# Altium PCB STM32F7_CoreBoard.PcbDoc (part 2 of 8) (continued)
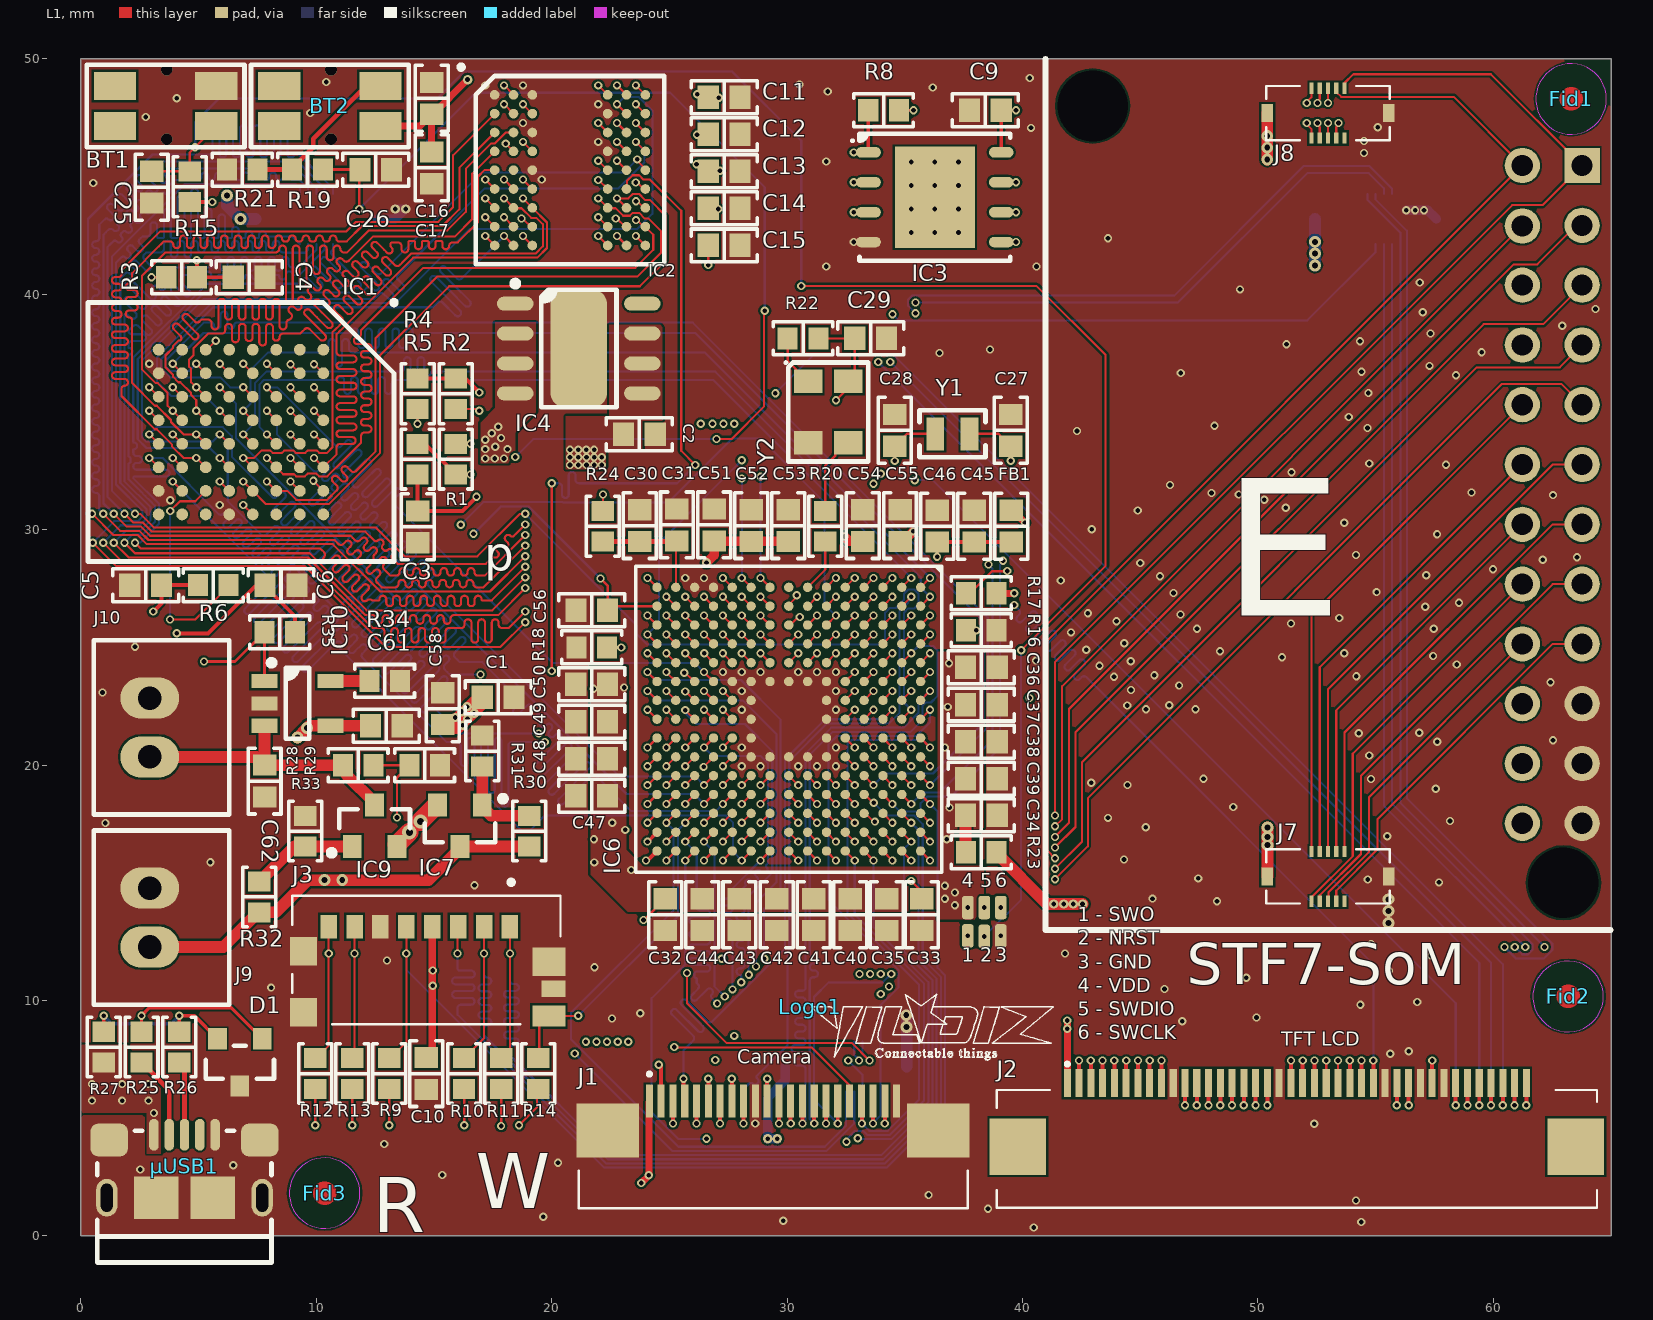
[diagram p0: L1 view]
## Nets (pads, with @x,y where several pads share a name; then routed paths per layer and width w, separated by ;. In a path a pad name is that pad's centre, name@x,y a point inside that pad or via, vN(x,y) a via of type N, cw(c..) or ccw(c..) an arc to the next point about the centre after c; other vN are vias at no path point) (continued)
A8: IC1.B6 IC4.H1 IC6.P6 | length 69
  L1 w0.089: v1(8.9,33.05) IC1.B6@9.3,32.65 ; v1(17.175,43.275) IC4.H1@17.575,42.875 ; v1(24.87,23.953) IC6.P6@25.27,23.553
  L3 w0.089: v1(8.9,33.05) 8.592,32.742 8.592,31.922 11.694,28.819 ccw(c11.797,28.922) 11.899,28.819 12.381,29.302 cw(c12.483,29.2) 12.585,29.302 cw(c12.483,29.2) 12.585,29.098 12.103,28.615 ccw(c12.205,28.513) 12.103,28.411 ccw(c12.205,28.513) 12.307,28.411 12.79,28.893 cw(c12.892,28.791) 12.994,28.893 cw(c12.892,28.791) 12.994,28.689 12.512,28.207 ccw(c12.614,28.104) 12.512,28.002 ccw(c12.614,28.104) 12.716,28.002 13.198,28.485 cw(c13.3,28.383) 13.402,28.485 cw(c13.3,28.383) 13.402,28.28 12.92,27.798 ccw(c13.022,27.696) 12.92,27.594 ccw(c13.022,27.696) 13.124,27.594 13.607,28.076 cw(c13.709,27.974) 13.811,28.076 cw(c13.709,27.974) 13.811,27.872 13.329,27.389 ccw(c13.431,27.287) 13.329,27.185 ccw(c13.431,27.287) 13.533,27.185 14.015,27.668 cw(c14.117,27.565) 14.22,27.668 cw(c14.117,27.565) 14.22,27.463 13.737,26.981 ccw(c13.839,26.879) 13.737,26.777 ccw(c13.839,26.879) 13.942,26.777 14.424,27.259 cw(c14.526,27.157) 14.628,27.259 cw(c14.526,27.157) 14.628,27.055 14.146,26.572 ccw(c14.248,26.47) 14.146,26.368 ccw(c14.248,26.47) 14.35,26.368 14.832,26.85 cw(c14.935,26.748) 15.037,26.85 cw(c14.935,26.748) 15.037,26.646 14.554,26.164 ccw(c14.657,26.062) 14.554,25.96 ccw(c14.657,26.062) 14.759,25.96 15.241,26.442 cw(c15.343,26.34) 15.445,26.442 cw(c15.343,26.34) 15.445,26.238 14.963,25.755 ccw(c15.065,25.653) 14.963,25.551 ccw(c15.065,25.653) 15.167,25.551 15.65,26.033 cw(c15.752,25.931) 15.854,26.033 cw(c15.752,25.931) 15.854,25.829 15.372,25.347 ccw(c15.474,25.245) 15.372,25.142 ccw(c15.474,25.245) 15.576,25.142 16.058,25.625 cw(c16.16,25.523) 16.262,25.625 cw(c16.16,25.523) 16.262,25.42 15.78,24.938 ccw(c15.882,24.836) 15.78,24.734 15.882,24.632 16.087,24.427 16.161,24.353 24.47,24.353 v1(24.87,23.953)
  L4 w0.089: v1(8.9,33.05) 8.592,32.742 5.772,32.742 5.592,32.922 5.592,35.197 5.253,35.536 4.84,35.536 4.592,35.785 4.592,39.249 8.618,43.275 13.925,43.275 13.997,43.275 ccw(c13.997,43.419) 14.142,43.419 14.142,43.536 cw(c14.286,43.536) 14.286,43.681 cw(c14.286,43.536) 14.43,43.536 14.43,43.275 14.43,43.173 ccw(c14.575,43.173) 14.575,43.028 ccw(c14.575,43.173) 14.719,43.173 14.719,43.275 14.719,43.536 cw(c14.864,43.536) 14.864,43.681 cw(c14.864,43.536) 15.008,43.536 15.008,43.275 15.008,43.173 ccw(c15.153,43.173) 15.153,43.028 ccw(c15.153,43.173) 15.297,43.173 15.297,43.275 15.297,43.536 cw(c15.442,43.536) 15.442,43.681 cw(c15.442,43.536) 15.586,43.536 15.586,43.275 15.586,43.173 ccw(c15.731,43.173) 15.731,43.028 ccw(c15.731,43.173) 15.875,43.173 15.875,43.275 15.875,43.536 cw(c16.019,43.536) 16.019,43.681 cw(c16.019,43.536) 16.164,43.536 16.164,43.275 16.164,43.173 ccw(c16.308,43.173) 16.308,43.028 ccw(c16.308,43.173) 16.453,43.173 16.453,43.275 16.453,43.536 cw(c16.597,43.536) 16.597,43.681 cw(c16.597,43.536) 16.742,43.536 16.742,43.419 ccw(c16.886,43.419) 16.886,43.275 17.031,43.275 v1(17.175,43.275)
A9: IC1.A6 IC4.G3 IC6.M8 | length 68.6
  L1 w0.089: v1(9.9,33.05) IC1.A6@10.3,32.65 10.861,33.211 10.861,33.356 10.861,33.5 cw(c11.006,33.5) 11.006,33.644 11.525,33.644 ccw(c11.525,33.789) 11.67,33.789 ccw(c11.525,33.789) 11.525,33.933 11.006,33.933 cw(c11.006,34.078) 10.861,34.078 cw(c11.006,34.078) 11.006,34.222 11.561,34.222 ccw(c11.561,34.367) 11.706,34.367 ccw(c11.561,34.367) 11.561,34.511 11.006,34.511 cw(c11.006,34.656) 10.861,34.656 cw(c11.006,34.656) 11.006,34.8 11.561,34.8 ccw(c11.561,34.945) 11.706,34.945 ccw(c11.561,34.945) 11.561,35.089 11.006,35.089 cw(c11.006,35.233) 10.861,35.233 cw(c11.006,35.233) 11.006,35.378 11.561,35.378 ccw(c11.561,35.522) 11.706,35.522 ccw(c11.561,35.522) 11.561,35.667 11.006,35.667 cw(c11.006,35.811) 10.861,35.811 cw(c11.006,35.811) 11.006,35.956 11.561,35.956 ccw(c11.561,36.1) 11.706,36.1 ccw(c11.561,36.1) 11.561,36.245 11.006,36.245 cw(c11.006,36.389) 10.861,36.389 cw(c11.006,36.389) 11.006,36.533 11.561,36.533 ccw(c11.561,36.678) 11.706,36.678 ccw(c11.561,36.678) 11.561,36.822 11.006,36.822 cw(c11.006,36.967) 10.861,36.967 cw(c11.006,36.967) 11.006,37.111 11.561,37.111 ccw(c11.561,37.256) 11.706,37.256 ccw(c11.561,37.256) 11.561,37.4 11.006,37.4 cw(c11.006,37.545) 10.861,37.545 10.861,37.575 10.861,38.31 ; 11.013,38.462 10.861,38.31 ; v1(18.775,44.075) IC4.G3@19.175,43.675 19.8,43.05 19.8,41.97 19.389,41.559 14.11,41.559 10.861,38.31 ; v1(26.47,22.352) IC6.M8@26.87,21.952
  L4 w0.089: v1(9.9,33.05) 9.95,33 9.95,32.841 10.291,32.5 10.371,32.5 10.411,32.539 10.421,32.55 cw(c10.523,32.448) 10.625,32.55 cw(c10.523,32.448) 10.625,32.346 10.615,32.335 10.159,31.879 ccw(c10.261,31.777) 10.159,31.675 ccw(c10.261,31.777) 10.363,31.675 10.819,32.131 10.83,32.141 cw(c10.932,32.039) 11.034,32.141 cw(c10.932,32.039) 11.034,31.937 11.024,31.926 10.533,31.436 ccw(c10.635,31.334) 10.533,31.232 ccw(c10.635,31.334) 10.738,31.232 11.228,31.722 11.238,31.733 cw(c11.34,31.631) 11.443,31.733 cw(c11.34,31.631) 11.443,31.528 11.432,31.518 10.942,31.028 ccw(c11.044,30.926) 10.942,30.823 ccw(c11.044,30.926) 11.146,30.823 11.636,31.314 11.647,31.324 cw(c11.749,31.222) 11.851,31.324 cw(c11.749,31.222) 11.851,31.12 11.841,31.109 11.35,30.619 ccw(c11.453,30.517) 11.35,30.415 ccw(c11.453,30.517) 11.555,30.415 12.045,30.905 12.055,30.916 cw(c12.158,30.813) 12.26,30.916 cw(c12.158,30.813) 12.26,30.711 12.249,30.701 11.759,30.211 ccw(c11.861,30.108) 11.759,30.006 ccw(c11.861,30.108) 11.963,30.006 12.454,30.496 12.464,30.507 cw(c12.566,30.405) 12.668,30.507 cw(c12.566,30.405) 12.668,30.303 12.658,30.292 12.168,29.802 ccw(c12.27,29.7) 12.168,29.598 ccw(c12.27,29.7) 12.372,29.598 12.862,30.088 12.873,30.098 cw(c12.975,29.996) 13.077,30.098 cw(c12.975,29.996) 13.077,29.894 13.066,29.884 12.576,29.393 ccw(c12.678,29.291) 12.576,29.189 ccw(c12.678,29.291) 12.78,29.189 13.271,29.679 13.281,29.69 cw(c13.383,29.588) 13.485,29.69 cw(c13.383,29.588) 13.485,29.486 13.475,29.475 12.985,28.985 ccw(c13.087,28.883) 12.985,28.781 ccw(c13.087,28.883) 13.189,28.781 13.679,29.271 13.69,29.281 cw(c13.792,29.179) 13.894,29.281 cw(c13.792,29.179) 13.894,29.077 13.884,29.066 13.393,28.576 ccw(c13.495,28.474) 13.393,28.372 ccw(c13.495,28.474) 13.598,28.372 13.986,28.76 cw(c14.088,28.658) 14.19,28.76 cw(c14.088,28.658) 14.19,28.556 13.802,28.168 ccw(c13.904,28.066) 13.802,27.963 ccw(c13.904,28.066) 14.006,27.963 14.394,28.351 cw(c14.496,28.249) 14.599,28.351 14.659,28.291 20.921,22.029 26.147,22.029 v1(26.47,22.352)
A10: IC1.C6 IC4.H9 IC6.N7 | length 67.9
  L1 w0.089: v1(7.9,33.05) IC1.C6@8.3,32.65 8.592,32.358 9.05,32.358 9.141,32.267 9.513,32.267 9.631,32.385 10.003,32.385 10.121,32.267 10.468,32.267 11.184,32.983 11.9,33.699 11.9,33.843 11.9,33.988 cw(c12.044,33.988) 12.044,34.132 12.2,34.132 ccw(c12.2,34.277) 12.344,34.277 ccw(c12.2,34.277) 12.2,34.421 12.044,34.421 cw(c12.044,34.566) 11.9,34.566 cw(c12.044,34.566) 12.044,34.71 12.2,34.71 ccw(c12.2,34.854) 12.344,34.854 ccw(c12.2,34.854) 12.2,34.999 12.044,34.999 cw(c12.044,35.143) 11.9,35.143 cw(c12.044,35.143) 12.044,35.288 12.2,35.288 ccw(c12.2,35.432) 12.344,35.432 ccw(c12.2,35.432) 12.2,35.577 12.044,35.577 cw(c12.044,35.721) 11.9,35.721 cw(c12.044,35.721) 12.044,35.866 12.2,35.866 ccw(c12.2,36.01) 12.344,36.01 ccw(c12.2,36.01) 12.2,36.155 12.044,36.155 cw(c12.044,36.299) 11.9,36.299 cw(c12.044,36.299) 12.044,36.443 12.2,36.443 ccw(c12.2,36.588) 12.344,36.588 ccw(c12.2,36.588) 12.2,36.732 12.044,36.732 cw(c12.044,36.877) 11.9,36.877 cw(c12.044,36.877) 12.044,37.021 12.2,37.021 ccw(c12.2,37.166) 12.344,37.166 ccw(c12.2,37.166) 12.2,37.31 12.044,37.31 cw(c12.044,37.455) 11.9,37.455 cw(c12.044,37.455) 12.044,37.599 12.2,37.599 ccw(c12.2,37.743) 12.344,37.743 ccw(c12.2,37.743) 12.2,37.888 11.9,37.888 11.739,37.888 cw(c11.739,38.032) 11.594,38.032 cw(c11.739,38.032) 11.739,38.177 11.756,38.177 ccw(c11.756,38.321) 11.9,38.321 11.9,38.466 11.9,38.475 14.55,41.125 23.55,41.125 24.313,41.888 24.313,42.537 IC4.H9@23.975,42.875 23.914,42.875 23.637,43.152 v1(23.576,43.152) ; v1(25.67,23.132) 25.681,23.132 26.06,22.752 IC6.N7@26.07,22.752
  L4 w0.089: v1(7.9,33.05) 8.208,33.358 10.242,33.358 14.537,29.063 14.586,29.014 ccw(c14.688,29.117) 14.79,29.014 14.97,29.195 cw(c15.072,29.093) 15.175,29.195 cw(c15.072,29.093) 15.175,28.991 14.892,28.708 14.795,28.611 ccw(c14.897,28.509) 14.795,28.407 ccw(c14.897,28.509) 14.999,28.407 15.096,28.504 15.379,28.786 cw(c15.481,28.684) 15.583,28.786 cw(c15.481,28.684) 15.583,28.582 15.301,28.299 15.203,28.202 ccw(c15.306,28.1) 15.203,27.998 ccw(c15.306,28.1) 15.408,27.998 15.505,28.095 15.727,28.317 cw(c15.829,28.215) 15.931,28.317 cw(c15.829,28.215) 15.931,28.113 15.709,27.891 15.612,27.794 ccw(c15.714,27.692) 15.612,27.589 ccw(c15.714,27.692) 15.816,27.589 15.913,27.687 16.136,27.909 cw(c16.238,27.807) 16.34,27.909 cw(c16.238,27.807) 16.34,27.704 16.118,27.482 16.021,27.385 ccw(c16.123,27.283) 16.021,27.181 ccw(c16.123,27.283) 16.225,27.181 16.322,27.278 16.544,27.5 cw(c16.646,27.398) 16.748,27.5 cw(c16.646,27.398) 16.748,27.296 16.526,27.074 16.429,26.977 ccw(c16.531,26.874) 16.429,26.772 ccw(c16.531,26.874) 16.633,26.772 16.731,26.869 16.953,27.092 cw(c17.055,26.99) 17.157,27.092 cw(c17.055,26.99) 17.157,26.887 16.935,26.665 16.838,26.568 ccw(c16.94,26.466) 16.838,26.364 ccw(c16.94,26.466) 17.042,26.364 17.139,26.461 17.361,26.683 cw(c17.463,26.581) 17.566,26.683 cw(c17.463,26.581) 17.566,26.479 17.343,26.257 17.246,26.159 ccw(c17.348,26.057) 17.246,25.955 ccw(c17.348,26.057) 17.45,25.955 17.548,26.052 17.77,26.275 cw(c17.872,26.172) 17.974,26.275 cw(c17.872,26.172) 17.974,26.07 17.752,25.848 17.655,25.751 ccw(c17.757,25.649) 17.655,25.547 ccw(c17.757,25.649) 17.859,25.547 17.956,25.644 18.178,25.866 cw(c18.281,25.764) 18.383,25.866 cw(c18.281,25.764) 18.383,25.662 18.161,25.439 18.063,25.342 ccw(c18.165,25.24) 18.063,25.138 ccw(c18.165,25.24) 18.268,25.138 18.365,25.235 18.587,25.457 cw(c18.689,25.355) 18.791,25.457 cw(c18.689,25.355) 18.791,25.253 18.569,25.031 18.472,24.934 ccw(c18.574,24.832) 18.472,24.729 ccw(c18.574,24.832) 18.676,24.729 18.773,24.827 18.996,25.049 cw(c19.098,24.947) 19.2,25.049 cw(c19.098,24.947) 19.2,24.845 18.978,24.622 18.88,24.525 ccw(c18.983,24.423) 18.88,24.321 ccw(c18.983,24.423) 19.085,24.321 19.182,24.418 19.404,24.64 cw(c19.506,24.538) 19.608,24.64 cw(c19.506,24.538) 19.608,24.436 19.488,24.316 ccw(c19.59,24.214) 19.488,24.112 19.59,24.01 19.693,23.907 19.693,23.682 20.531,22.844 25.362,22.844 25.649,23.132 v1(25.67,23.132)
A11: IC1.D6 IC4.G2 IC6.M7 | length 68.4
  L1 w0.089: IC1.D6@7.3,32.65 v1(6.9,33.05) 7.356,33.05 7.664,33.358 8.05,33.358 8.141,33.267 8.541,33.267 8.633,33.358 9.036,33.358 9.128,33.267 9.532,33.267 9.624,33.358 10.028,33.358 10.119,33.267 10.459,33.267 10.683,33.491 10.683,38.383 10.785,38.485 10.99,38.69 11.092,38.792 ccw(c10.99,38.894) 11.092,38.996 10.79,39.298 cw(c10.892,39.4) 10.79,39.502 cw(c10.892,39.4) 10.994,39.502 11.296,39.2 ccw(c11.398,39.303) 11.5,39.2 ccw(c11.398,39.303) 11.5,39.405 11.199,39.707 cw(c11.301,39.809) 11.199,39.911 cw(c11.301,39.809) 11.403,39.911 11.705,39.609 ccw(c11.807,39.711) 11.909,39.609 ccw(c11.807,39.711) 11.909,39.813 11.607,40.115 cw(c11.709,40.217) 11.607,40.319 cw(c11.709,40.217) 11.812,40.319 12.113,40.018 ccw(c12.215,40.12) 12.318,40.018 ccw(c12.215,40.12) 12.318,40.222 12.016,40.524 cw(c12.118,40.626) 12.016,40.728 cw(c12.118,40.626) 12.22,40.728 12.522,40.426 ccw(c12.624,40.528) 12.726,40.426 ccw(c12.624,40.528) 12.726,40.63 12.424,40.932 cw(c12.527,41.034) 12.424,41.137 cw(c12.527,41.034) 12.629,41.137 12.93,40.835 ccw(c13.033,40.937) 13.135,40.835 ccw(c13.033,40.937) 13.135,41.039 12.833,41.341 cw(c12.935,41.443) 12.833,41.545 cw(c12.935,41.443) 13.037,41.545 13.339,41.243 ccw(c13.441,41.345) 13.543,41.243 13.645,41.345 13.662,41.362 14.037,41.737 19.315,41.737 19.622,42.044 19.622,42.976 19.349,43.249 19.122,43.249 18.713,43.658 18.392,43.658 IC4.G2@18.375,43.675 v1(17.975,44.075) ; v1(26.47,23.152) IC6.M7@26.87,22.752
  L4 w0.089: v1(6.9,33.05) 7.386,33.536 10.964,33.536 11.066,33.434 11.27,33.23 11.372,33.128 ccw(c11.475,33.23) 11.577,33.128 11.865,33.416 cw(c11.967,33.314) 12.069,33.416 cw(c11.967,33.314) 12.069,33.212 11.781,32.923 ccw(c11.883,32.821) 11.781,32.719 ccw(c11.883,32.821) 11.985,32.719 12.274,33.007 cw(c12.376,32.905) 12.478,33.007 cw(c12.376,32.905) 12.478,32.803 12.19,32.515 ccw(c12.292,32.413) 12.19,32.31 ccw(c12.292,32.413) 12.394,32.31 12.682,32.599 cw(c12.784,32.497) 12.887,32.599 cw(c12.784,32.497) 12.887,32.395 12.598,32.106 ccw(c12.7,32.004) 12.598,31.902 ccw(c12.7,32.004) 12.802,31.902 13.091,32.19 cw(c13.193,32.088) 13.295,32.19 cw(c13.193,32.088) 13.295,31.986 13.007,31.698 ccw(c13.109,31.595) 13.007,31.493 ccw(c13.109,31.595) 13.211,31.493 13.499,31.782 cw(c13.602,31.68) 13.704,31.782 cw(c13.602,31.68) 13.704,31.577 13.415,31.289 ccw(c13.517,31.187) 13.415,31.085 ccw(c13.517,31.187) 13.62,31.085 13.908,31.373 cw(c14.01,31.271) 14.112,31.373 cw(c14.01,31.271) 14.112,31.169 13.824,30.88 ccw(c13.926,30.778) 13.824,30.676 ccw(c13.926,30.778) 14.028,30.676 14.38,31.028 cw(c14.482,30.926) 14.584,31.028 cw(c14.482,30.926) 14.584,30.824 14.232,30.472 ccw(c14.335,30.37) 14.232,30.268 ccw(c14.335,30.37) 14.437,30.268 14.788,30.619 cw(c14.891,30.517) 14.993,30.619 cw(c14.891,30.517) 14.993,30.415 14.641,30.063 ccw(c14.743,29.961) 14.641,29.859 ccw(c14.743,29.961) 14.845,29.859 15.197,30.211 ; 15.197,30.211 cw(c15.299,30.109) 15.401,30.211 cw(c15.299,30.109) 15.401,30.007 15.05,29.655 ccw(c15.152,29.553) 15.05,29.45 ccw(c15.152,29.553) 15.254,29.45 15.606,29.802 cw(c15.708,29.7) 15.81,29.802 cw(c15.708,29.7) 15.81,29.598 15.458,29.246 ccw(c15.56,29.144) 15.458,29.042 ccw(c15.56,29.144) 15.662,29.042 16.014,29.394 cw(c16.116,29.292) 16.218,29.394 cw(c16.116,29.292) 16.218,29.189 15.867,28.838 ccw(c15.969,28.736) 15.867,28.633 15.969,28.531 15.995,28.505 20.882,23.618 26.005,23.618 v1(26.47,23.152)
A12: IC1.B7 IC4.G1 IC6.M13 | length 69
  L1 w0.089: v1(8.9,32.05) IC1.B7@9.3,31.65 ; v1(17.175,44.075) IC4.G1@17.575,43.675 ; v1(26.47,17.552) IC6.M13@26.87,17.952
  L4 w0.089: v1(17.175,44.075) 14.4,44.075 14.358,44.075 cw(c14.358,44.211) 14.222,44.211 ccw(c14.078,44.211) 14.078,44.356 ccw(c14.078,44.211) 13.933,44.211 13.933,44.075 cw(c13.828,44.075) 13.828,43.969 13.75,43.969 cw(c13.75,44.075) 13.644,44.075 13.644,44.211 ccw(c13.5,44.211) 13.5,44.356 ccw(c13.5,44.211) 13.355,44.211 13.355,44.075 cw(c13.25,44.075) 13.25,43.969 13.172,43.969 cw(c13.172,44.075) 13.066,44.075 13.066,44.211 ccw(c12.922,44.211) 12.922,44.356 ccw(c12.922,44.211) 12.777,44.211 12.777,44.075 cw(c12.672,44.075) 12.672,43.969 12.594,43.969 cw(c12.594,44.075) 12.489,44.075 12.489,44.211 ccw(c12.344,44.211) 12.344,44.356 ccw(c12.344,44.211) 12.2,44.211 12.2,44.075 cw(c12.094,44.075) 12.094,43.969 12.016,43.969 cw(c12.016,44.075) 11.911,44.075 11.911,44.211 ccw(c11.766,44.211) 11.766,44.356 ccw(c11.766,44.211) 11.622,44.211 11.622,44.075 cw(c11.516,44.075) 11.516,43.969 11.439,43.969 cw(c11.439,44.075) 11.333,44.075 11.333,44.211 ccw(c11.189,44.211) 11.189,44.356 ccw(c11.189,44.211) 11.044,44.211 cw(c10.908,44.211) 10.908,44.075 10.9,44.075 8.783,44.075 4.225,39.517 4.225,35.9 4.767,35.358 5.169,35.358 5.414,35.114 5.414,32.1 5.772,31.742 8.028,31.742 8.336,32.05 v1(8.9,32.05) 8.9,30.9 9.002,30.798 9.104,30.696 cw(c9.002,30.594) 9.104,30.491 8.653,30.04 ccw(c8.755,29.938) 8.653,29.835 ccw(c8.755,29.938) 8.857,29.835 9.411,30.389 9.422,30.4 cw(c9.524,30.298) 9.626,30.4 cw(c9.524,30.298) 9.626,30.196 9.615,30.185 9.061,29.631 ccw(c9.163,29.529) 9.061,29.427 ccw(c9.163,29.529) 9.265,29.427 9.819,29.981 9.83,29.992 cw(c9.932,29.89) 10.035,29.992 cw(c9.932,29.89) 10.035,29.788 10.024,29.776 9.47,29.223 ccw(c9.572,29.12) 9.47,29.018 ccw(c9.572,29.12) 9.674,29.018 10.228,29.572 10.239,29.583 cw(c10.341,29.481) 10.443,29.583 cw(c10.341,29.481) 10.443,29.379 10.432,29.368 9.878,28.814 ccw(c9.98,28.712) 9.878,28.61 ccw(c9.98,28.712) 10.082,28.61 10.636,29.164 10.647,29.175 cw(c10.75,29.073) 10.852,29.175 cw(c10.75,29.073) 10.852,28.97 10.841,28.959 10.287,28.405 ccw(c10.389,28.303) 10.287,28.201 ccw(c10.389,28.303) 10.491,28.201 11.045,28.755 11.056,28.766 cw(c11.158,28.664) 11.26,28.766 cw(c11.158,28.664) 11.26,28.562 11.249,28.551 10.695,27.997 ccw(c10.797,27.895) 10.695,27.793 ccw(c10.797,27.895) 10.9,27.793 11.454,28.346 11.465,28.358 cw(c11.567,28.255) 11.669,28.358 cw(c11.567,28.255) 11.669,28.153 11.658,28.142 11.104,27.588 ccw(c11.206,27.486) 11.104,27.384 ccw(c11.206,27.486) 11.308,27.384 11.76,27.836 cw(c11.862,27.734) 11.964,27.836 12.012,27.788 21.812,17.988 26.034,17.988 v1(26.47,17.552)
A13: IC1.A7 IC6.M12 | length 39.3
  L1 w0.089: v1@9.875,32.076 IC1.A7@10.3,31.65 ; v1(26.47,18.352) IC6.M12@26.87,18.752
  L6 w0.089: v1(9.875,32.077) 9.875,32.075 10.002,31.948 10.104,31.846 cw(c10.002,31.744) 10.104,31.641 9.74,31.277 ccw(c9.842,31.175) 9.74,31.073 ccw(c9.842,31.175) 9.944,31.073 10.411,31.539 cw(c10.505,31.445) 10.6,31.539 10.615,31.524 cw(c10.52,31.43) 10.615,31.335 10.149,30.869 ccw(c10.251,30.766) 10.149,30.664 ccw(c10.251,30.766) 10.353,30.664 10.819,31.131 cw(c10.914,31.036) 11.008,31.131 11.024,31.115 cw(c10.929,31.021) 11.024,30.926 10.557,30.46 ccw(c10.659,30.358) 10.557,30.256 ccw(c10.659,30.358) 10.761,30.256 11.228,30.722 cw(c11.322,30.628) 11.417,30.722 11.432,30.707 cw(c11.338,30.612) 11.432,30.518 10.966,30.051 ccw(c11.068,29.949) 10.966,29.847 ccw(c11.068,29.949) 11.17,29.847 11.636,30.314 cw(c11.731,30.219) 11.825,30.314 11.841,30.298 cw(c11.746,30.204) 11.841,30.109 11.374,29.643 ccw(c11.476,29.541) 11.374,29.439 ccw(c11.476,29.541) 11.579,29.439 12.045,29.905 cw(c12.139,29.811) 12.234,29.905 12.249,29.89 cw(c12.155,29.795) 12.249,29.701 11.783,29.234 ccw(c11.885,29.132) 11.783,29.03 ccw(c11.885,29.132) 11.987,29.03 12.454,29.496 cw(c12.548,29.402) 12.643,29.496 12.658,29.481 cw(c12.563,29.387) 12.658,29.292 12.191,28.826 ccw(c12.294,28.724) 12.191,28.621 ccw(c12.294,28.724) 12.396,28.621 12.862,29.088 cw(c12.957,28.993) 13.051,29.088 13.066,29.073 cw(c12.972,28.978) 13.066,28.884 12.6,28.417 ccw(c12.702,28.315) 12.6,28.213 ccw(c12.702,28.315) 12.804,28.213 13.271,28.679 cw(c13.365,28.585) 13.46,28.679 13.475,28.664 cw(c13.38,28.57) 13.475,28.475 13.009,28.009 ccw(c13.111,27.906) 13.009,27.804 ccw(c13.111,27.906) 13.213,27.804 13.577,28.169 cw(c13.679,28.066) 13.781,28.169 cw(c13.679,28.066) 13.781,27.964 13.417,27.6 ccw(c13.519,27.498) 13.417,27.396 ccw(c13.519,27.498) 13.621,27.396 13.986,27.76 cw(c14.088,27.658) 14.19,27.76 14.292,27.658 14.337,27.613 23.176,18.774 26.048,18.774 v1(26.47,18.352)
A14: IC1.C7 IC4.G7 IC6.N12 | length 68.1
  L1 w0.089: v1(7.9,32.05) IC1.C7@8.3,31.65 8.758,31.65 9.141,31.267 10.459,31.267 10.561,31.369 10.765,31.573 10.867,31.675 ccw(c10.765,31.777) 10.867,31.879 10.702,32.045 cw(c10.804,32.147) 10.702,32.249 cw(c10.804,32.147) 10.906,32.249 11.072,32.084 ccw(c11.174,32.186) 11.276,32.084 ccw(c11.174,32.186) 11.276,32.288 11.11,32.454 cw(c11.213,32.556) 11.11,32.658 cw(c11.213,32.556) 11.315,32.658 11.48,32.492 ccw(c11.582,32.594) 11.684,32.492 11.709,32.516 12.522,33.33 12.522,38.147 15.125,40.75 23.625,40.75 24.653,41.778 24.653,42.676 24.115,43.213 23.958,43.213 23.711,43.46 23.439,43.46 23.315,43.337 23.035,43.337 22.713,43.658 22.392,43.658 IC4.G7@22.375,43.675 v1(21.975,44.075) ; v1(25.67,18.352) IC6.N12@26.07,18.752
  L4 w0.089: v1(7.9,32.05) 8.208,32.358 9.028,32.358 9.208,32.178 9.208,32.054 9.331,31.931 9.433,31.829 9.536,31.727 cw(c9.433,31.625) 9.536,31.523 9.19,31.177 ccw(c9.292,31.075) 9.19,30.973 ccw(c9.292,31.075) 9.394,30.973 9.74,31.318 cw(c9.842,31.216) 9.944,31.318 cw(c9.842,31.216) 9.944,31.114 9.642,30.812 ccw(c9.744,30.71) 9.642,30.608 ccw(c9.744,30.71) 9.846,30.608 10.148,30.91 cw(c10.251,30.808) 10.353,30.91 cw(c10.251,30.808) 10.353,30.706 10.05,30.403 ccw(c10.153,30.301) 10.05,30.199 ccw(c10.153,30.301) 10.255,30.199 10.557,30.501 cw(c10.659,30.399) 10.761,30.501 cw(c10.659,30.399) 10.761,30.297 10.459,29.995 ccw(c10.561,29.893) 10.459,29.79 ccw(c10.561,29.893) 10.663,29.79 10.966,30.093 cw(c11.068,29.991) 11.17,30.093 cw(c11.068,29.991) 11.17,29.888 10.868,29.586 ccw(c10.97,29.484) 10.868,29.382 ccw(c10.97,29.484) 11.072,29.382 11.374,29.684 cw(c11.476,29.582) 11.578,29.684 cw(c11.476,29.582) 11.578,29.48 11.276,29.178 ccw(c11.378,29.075) 11.276,28.973 ccw(c11.378,29.075) 11.48,28.973 11.783,29.276 cw(c11.885,29.173) 11.987,29.276 cw(c11.885,29.173) 11.987,29.071 11.685,28.769 ccw(c11.787,28.667) 11.685,28.565 ccw(c11.787,28.667) 11.889,28.565 12.191,28.867 cw(c12.293,28.765) 12.395,28.867 cw(c12.293,28.765) 12.395,28.663 12.05,28.317 ccw(c12.152,28.215) 12.05,28.113 ccw(c12.152,28.215) 12.254,28.113 12.6,28.458 cw(c12.702,28.356) 12.804,28.458 12.906,28.356 13.11,28.152 13.144,28.119 13.246,28.017 13.348,27.914 cw(c13.246,27.812) 13.348,27.71 13.003,27.365 ccw(c13.105,27.263) 13.003,27.16 ccw(c13.105,27.263) 13.207,27.16 13.552,27.506 cw(c13.654,27.404) 13.757,27.506 cw(c13.654,27.404) 13.757,27.302 13.411,26.956 ccw(c13.513,26.854) 13.411,26.752 ccw(c13.513,26.854) 13.615,26.752 13.961,27.097 cw(c14.063,26.995) 14.165,27.097 cw(c14.063,26.995) 14.165,26.893 13.82,26.548 ccw(c13.922,26.445) 13.82,26.343 ccw(c13.922,26.445) 14.024,26.343 14.369,26.689 cw(c14.472,26.587) 14.574,26.689 14.6,26.662 22.597,18.666 25.356,18.666 v1(25.67,18.352)
A15: IC1.D7 IC4.G8 IC6.N11 | length 68.3
  L1 w0.089: v1(6.9,32.05) IC1.D7@7.3,31.65 7.861,31.089 10.532,31.089 12.7,33.256 12.7,37.4 15.642,40.342 23.744,40.342 24.831,41.428 24.831,43.344 24.162,44.013 23.958,44.013 23.711,44.26 23.439,44.26 23.253,44.075 v1(22.775,44.075) IC4.G8@23.175,43.675 ; v1(25.67,19.152) IC6.N11@26.07,19.552
  L4 w0.089: v1(6.9,32.05) 7.386,32.536 9.101,32.536 9.386,32.251 9.386,32.128 13.88,27.633 ccw(c13.983,27.736) 14.085,27.633 14.473,28.022 cw(c14.575,27.919) 14.677,28.022 cw(c14.575,27.919) 14.677,27.817 14.289,27.429 ccw(c14.391,27.327) 14.289,27.225 ccw(c14.391,27.327) 14.493,27.225 14.881,27.613 cw(c14.984,27.511) 15.086,27.613 cw(c14.984,27.511) 15.086,27.409 14.698,27.021 ccw(c14.8,26.918) 14.698,26.816 ccw(c14.8,26.918) 14.902,26.816 15.29,27.204 cw(c15.392,27.102) 15.494,27.204 cw(c15.392,27.102) 15.494,27 15.106,26.612 ccw(c15.208,26.51) 15.106,26.408 ccw(c15.208,26.51) 15.31,26.408 15.699,26.796 cw(c15.801,26.694) 15.903,26.796 cw(c15.801,26.694) 15.903,26.592 15.515,26.203 ccw(c15.617,26.101) 15.515,25.999 ccw(c15.617,26.101) 15.719,25.999 16.107,26.387 cw(c16.209,26.285) 16.311,26.387 cw(c16.209,26.285) 16.311,26.183 15.923,25.795 ccw(c16.025,25.693) 15.923,25.591 ccw(c16.025,25.693) 16.128,25.591 16.516,25.979 cw(c16.618,25.877) 16.72,25.979 cw(c16.618,25.877) 16.72,25.774 16.332,25.386 ccw(c16.434,25.284) 16.332,25.182 ccw(c16.434,25.284) 16.536,25.182 16.924,25.57 cw(c17.026,25.468) 17.128,25.57 cw(c17.026,25.468) 17.128,25.366 16.74,24.978 ccw(c16.843,24.876) 16.74,24.773 16.843,24.671 16.944,24.569 17.047,24.467 17.251,24.263 17.353,24.161 ccw(c17.455,24.263) 17.557,24.161 17.945,24.549 cw(c18.048,24.447) 18.15,24.549 cw(c18.048,24.447) 18.15,24.345 17.762,23.957 ccw(c17.864,23.854) 17.762,23.752 ccw(c17.864,23.854) 17.966,23.752 18.354,24.14 cw(c18.456,24.038) 18.558,24.14 cw(c18.456,24.038) 18.558,23.936 18.17,23.548 ccw(c18.272,23.446) 18.17,23.344 18.272,23.242 18.411,23.103 22.67,18.844 25.362,18.844 v1(25.67,19.152)
A16: IC1.E7 IC6.N10 | length 40.9
  L1 w0.089: v1(5.9,32.05) IC1.E7@6.3,31.65 ; v1(25.67,19.952) IC6.N10@26.07,20.352
  L3 w0.089: v1(5.9,32.05) 6.208,32.358 7.028,32.358 8.611,30.775 ccw(c8.713,30.877) 8.815,30.775 8.913,30.873 cw(c9.015,30.771) 9.118,30.873 cw(c9.015,30.771) 9.118,30.669 8.917,30.469 8.608,30.159 ccw(c8.71,30.057) 8.608,29.955 ccw(c8.71,30.057) 8.812,29.955 9.122,30.264 9.322,30.464 cw(c9.424,30.362) 9.526,30.464 cw(c9.424,30.362) 9.526,30.26 9.326,30.06 9.017,29.751 ccw(c9.119,29.648) 9.017,29.546 ccw(c9.119,29.648) 9.221,29.546 9.53,29.856 9.73,30.056 cw(c9.832,29.954) 9.935,30.056 cw(c9.832,29.954) 9.935,29.851 9.735,29.651 9.425,29.342 ccw(c9.527,29.24) 9.425,29.138 ccw(c9.527,29.24) 9.629,29.138 9.939,29.447 10.139,29.647 cw(c10.241,29.545) 10.343,29.647 cw(c10.241,29.545) 10.343,29.443 10.143,29.243 9.834,28.933 ccw(c9.936,28.831) 9.834,28.729 ccw(c9.936,28.831) 10.038,28.729 10.347,29.039 10.547,29.239 cw(c10.65,29.136) 10.752,29.239 cw(c10.65,29.136) 10.752,29.034 10.552,28.834 10.242,28.525 ccw(c10.344,28.423) 10.242,28.321 ccw(c10.344,28.423) 10.447,28.321 10.756,28.63 10.956,28.83 cw(c11.058,28.728) 11.16,28.83 cw(c11.058,28.728) 11.16,28.626 10.96,28.426 10.651,28.116 ccw(c10.753,28.014) 10.651,27.912 ccw(c10.753,28.014) 10.855,27.912 11.165,28.221 11.365,28.421 cw(c11.467,28.319) 11.569,28.421 cw(c11.467,28.319) 11.569,28.217 11.369,28.017 11.059,27.708 ccw(c11.162,27.606) 11.059,27.503 ccw(c11.162,27.606) 11.264,27.503 11.573,27.813 11.773,28.013 cw(c11.875,27.911) 11.977,28.013 cw(c11.875,27.911) 11.977,27.809 11.777,27.609 11.468,27.299 ccw(c11.57,27.197) 11.468,27.095 ccw(c11.57,27.197) 11.672,27.095 11.88,27.302 cw(c11.982,27.2) 12.084,27.302 12.168,27.218 18.892,20.494 19.969,20.494 20.536,21.061 24.198,21.061 24.384,20.875 24.384,20.551 24.669,20.266 25.356,20.266 v1(25.67,19.952)